# Allegro board LED_FIN.brd (continued)
## Routing (per net, layer and track width the routed paths; a pad name or vN(x,y) marks a point on that pad's centre or on a via; arc(x,y) is an arc through that point) (continued)
COL_OUT_B84: length 245
  TOP w0.15: D6066.1 v1(109.25,292.8) ; D6576.1 v1(109.25,258.8) ; v1(108.55,128.8) 108.96,129.21 108.96,132.39 v1(108.55,132.8) ; D6816.1 v1(109.25,242.8) ; D6606.1 v1(109.25,256.8) ; D6186.1 v1(109.25,284.8) ; D6126.1 v1(109.25,288.8) ; D6306.1 v1(109.25,276.8) ; D6396.1 v1(109.25,270.8) ; D6546.1 v1(109.25,260.8) ; D6276.1 v1(109.25,278.8) ; D6756.1 v1(109.25,246.8) ; D5946.1 v1(109.25,300.8) ; D5706.1 v1(109.25,316.8) ; D6726.1 v1(109.25,248.8) ; D6426.1 v1(109.25,268.8) ; D6696.1 v1(109.25,250.8) ; D6786.1 v1(109.25,244.8) ; v1(108.55,99.8) R156.1 ; D5826.1 v1(109.25,308.8) ; D6216.1 v1(109.25,282.8) ; D6366.1 v1(109.25,272.8) ; D5916.1 v1(109.25,302.8) ; D5796.1 v1(109.25,310.8) ; D6246.1 v1(109.25,280.8) ; D6456.1 v1(109.25,266.8) ; D5886.1 v1(109.25,304.8) ; D6006.1 v1(109.25,296.8) ; D6516.1 v1(109.25,262.8) ; D6156.1 v1(109.25,286.8) ; D5736.1 v1(109.25,314.8) ; D6636.1 v1(109.25,254.8) ; D6036.1 v1(109.25,294.8) ; D6666.1 v1(109.25,252.8) ; D5976.1 v1(109.25,298.8) ; D6486.1 v1(109.25,264.8) ; D5766.1 v1(109.25,312.8) ; D6096.1 v1(109.25,290.8) ; D6336.1 v1(109.25,274.8) ; D5856.1 v1(109.25,306.8)
  BOTTOM w0.15: v1(108.55,132.8) 108.55,242.1 v1(109.25,242.8) v1(109.25,244.8) v1(109.25,246.8) v1(109.25,248.8) v1(109.25,250.8) v1(109.25,252.8) v1(109.25,254.8) v1(109.25,256.8) v1(109.25,258.8) v1(109.25,260.8) v1(109.25,262.8) v1(109.25,264.8) v1(109.25,266.8) v1(109.25,268.8) v1(109.25,270.8) v1(109.25,272.8) v1(109.25,274.8) v1(109.25,276.8) v1(109.25,278.8) v1(109.25,280.8) v1(109.25,282.8) v1(109.25,284.8) v1(109.25,286.8) v1(109.25,288.8) v1(109.25,290.8) v1(109.25,292.8) v1(109.25,294.8) v1(109.25,296.8) v1(109.25,298.8) v1(109.25,300.8) v1(109.25,302.8) v1(109.25,304.8) v1(109.25,306.8) v1(109.25,308.8) v1(109.25,310.8) v1(109.25,312.8) v1(109.25,314.8) v1(109.25,316.8) ; v1(108.55,128.8) v1(108.55,99.8)
COL_OUT_B85: length 244.7
  TOP w0.15: D6785.1 v1(107.25,244.8) ; D6095.1 v1(107.25,290.8) ; D5915.1 v1(107.25,302.8) ; D6545.1 v1(107.25,260.8) ; D5765.1 v1(107.25,312.8) ; D6665.1 v1(107.25,252.8) ; v1(106.55,99.8) R155.1 ; D6755.1 v1(107.25,246.8) ; D5705.1 v1(107.25,316.8) ; D5795.1 v1(107.25,310.8) ; D6155.1 v1(107.25,286.8) ; D5885.1 v1(107.25,304.8) ; D6065.1 v1(107.25,292.8) ; D6815.1 v1(107.25,242.8) ; D5975.1 v1(107.25,298.8) ; D6365.1 v1(107.25,272.8) ; D5855.1 v1(107.25,306.8) ; D6575.1 v1(107.25,258.8) ; D6245.1 v1(107.25,280.8) ; D6425.1 v1(107.25,268.8) ; D5945.1 v1(107.25,300.8) ; D6275.1 v1(107.25,278.8) ; D5735.1 v1(107.25,314.8) ; D6335.1 v1(107.25,274.8) ; D6125.1 v1(107.25,288.8) ; D6185.1 v1(107.25,284.8) ; D6035.1 v1(107.25,294.8) ; D6395.1 v1(107.25,270.8) ; D6455.1 v1(107.25,266.8) ; D6305.1 v1(107.25,276.8) ; D6695.1 v1(107.25,250.8) ; D6725.1 v1(107.25,248.8) ; D6215.1 v1(107.25,282.8) ; D6005.1 v1(107.25,296.8) ; D6515.1 v1(107.25,262.8) ; D5825.1 v1(107.25,308.8) ; D6635.1 v1(107.25,254.8) ; D6485.1 v1(107.25,264.8) ; D6605.1 v1(107.25,256.8)
  BOTTOM w0.15: v1(106.55,99.8) 106.49,99.86 106.49,242.04 v1(107.25,242.8) v1(107.25,244.8) v1(107.25,246.8) v1(107.25,248.8) v1(107.25,250.8) v1(107.25,252.8) v1(107.25,254.8) v1(107.25,256.8) v1(107.25,258.8) v1(107.25,260.8) v1(107.25,262.8) v1(107.25,264.8) v1(107.25,266.8) v1(107.25,268.8) v1(107.25,270.8) v1(107.25,272.8) v1(107.25,274.8) v1(107.25,276.8) v1(107.25,278.8) v1(107.25,280.8) v1(107.25,282.8) v1(107.25,284.8) v1(107.25,286.8) v1(107.25,288.8) v1(107.25,290.8) v1(107.25,292.8) v1(107.25,294.8) v1(107.25,296.8) v1(107.25,298.8) v1(107.25,300.8) v1(107.25,302.8) v1(107.25,304.8) v1(107.25,306.8) v1(107.25,308.8) v1(107.25,310.8) v1(107.25,312.8) v1(107.25,314.8) v1(107.25,316.8)
COL_OUT_B86: length 245.2
  TOP w0.15: D6424.1 v1(105.25,268.8) ; D5854.1 v1(105.25,306.8) ; D6724.1 v1(105.25,248.8) ; D6124.1 v1(105.25,288.8) ; D5884.1 v1(105.25,304.8) ; D5974.1 v1(105.25,298.8) ; D5794.1 v1(105.25,310.8) ; D6514.1 v1(105.25,262.8) ; D5914.1 v1(105.25,302.8) ; D6694.1 v1(105.25,250.8) ; D6184.1 v1(105.25,284.8) ; D6214.1 v1(105.25,282.8) ; D6034.1 v1(105.25,294.8) ; D6004.1 v1(105.25,296.8) ; D6814.1 v1(105.25,242.8) ; D6154.1 v1(105.25,286.8) ; D6574.1 v1(105.25,258.8) ; v1(104.55,99.8) R154.1 ; D6784.1 v1(105.25,244.8) ; D6604.1 v1(105.25,256.8) ; D6304.1 v1(105.25,276.8) ; D6634.1 v1(105.25,254.8) ; D6454.1 v1(105.25,266.8) ; D6544.1 v1(105.25,260.8) ; D6664.1 v1(105.25,252.8) ; D6394.1 v1(105.25,270.8) ; D6094.1 v1(105.25,290.8) ; D6484.1 v1(105.25,264.8) ; D5824.1 v1(105.25,308.8) ; D5734.1 v1(105.25,314.8) ; D6754.1 v1(105.25,246.8) ; D6064.1 v1(105.25,292.8) ; D5764.1 v1(105.25,312.8) ; D5704.1 v1(105.25,316.8) ; D6274.1 v1(105.25,278.8) ; D6364.1 v1(105.25,272.8) ; D6334.1 v1(105.25,274.8) ; D5944.1 v1(105.25,300.8) ; D6244.1 v1(105.25,280.8)
  BOTTOM w0.15: v1(104.55,99.8) 103.95,100.4 103.95,131.75 104.55,132.35 104.55,242.1 v1(105.25,242.8) v1(105.25,244.8) v1(105.25,246.8) v1(105.25,248.8) v1(105.25,250.8) v1(105.25,252.8) v1(105.25,254.8) v1(105.25,256.8) v1(105.25,258.8) v1(105.25,260.8) v1(105.25,262.8) v1(105.25,264.8) v1(105.25,266.8) v1(105.25,268.8) v1(105.25,270.8) v1(105.25,272.8) v1(105.25,274.8) v1(105.25,276.8) v1(105.25,278.8) v1(105.25,280.8) v1(105.25,282.8) v1(105.25,284.8) v1(105.25,286.8) v1(105.25,288.8) v1(105.25,290.8) v1(105.25,292.8) v1(105.25,294.8) v1(105.25,296.8) v1(105.25,298.8) v1(105.25,300.8) v1(105.25,302.8) v1(105.25,304.8) v1(105.25,306.8) v1(105.25,308.8) v1(105.25,310.8) v1(105.25,312.8) v1(105.25,314.8) v1(105.25,316.8)
COL_OUT_B87: length 244.7
  TOP w0.15: D6363.1 v1(103.25,272.8) ; D6453.1 v1(103.25,266.8) ; D6123.1 v1(103.25,288.8) ; v1(102.55,99.8) R153.1 ; D5883.1 v1(103.25,304.8) ; D6153.1 v1(103.25,286.8) ; D6513.1 v1(103.25,262.8) ; D5943.1 v1(103.25,300.8) ; D6633.1 v1(103.25,254.8) ; D6003.1 v1(103.25,296.8) ; D6783.1 v1(103.25,244.8) ; D6213.1 v1(103.25,282.8) ; v1(102.55,128.8) 102.61,128.86 102.61,132.74 v1(102.55,132.8) ; D5793.1 v1(103.25,310.8) ; D6333.1 v1(103.25,274.8) ; D6723.1 v1(103.25,248.8) ; D6603.1 v1(103.25,256.8) ; D6813.1 v1(103.25,242.8) ; D5853.1 v1(103.25,306.8) ; D6273.1 v1(103.25,278.8) ; D6573.1 v1(103.25,258.8) ; D5703.1 v1(103.25,316.8) ; D5763.1 v1(103.25,312.8) ; D6243.1 v1(103.25,280.8) ; D6753.1 v1(103.25,246.8) ; D6423.1 v1(103.25,268.8) ; D6543.1 v1(103.25,260.8) ; D6693.1 v1(103.25,250.8) ; D5823.1 v1(103.25,308.8) ; D6183.1 v1(103.25,284.8) ; D6393.1 v1(103.25,270.8) ; D6663.1 v1(103.25,252.8) ; D6303.1 v1(103.25,276.8) ; D6033.1 v1(103.25,294.8) ; D6483.1 v1(103.25,264.8) ; D5733.1 v1(103.25,314.8) ; D5913.1 v1(103.25,302.8) ; D5973.1 v1(103.25,298.8) ; D6063.1 v1(103.25,292.8) ; D6093.1 v1(103.25,290.8)
  BOTTOM w0.15: v1(102.55,132.8) 102.55,242.1 v1(103.25,242.8) v1(103.25,244.8) v1(103.25,246.8) v1(103.25,248.8) v1(103.25,250.8) v1(103.25,252.8) v1(103.25,254.8) v1(103.25,256.8) v1(103.25,258.8) v1(103.25,260.8) v1(103.25,262.8) v1(103.25,264.8) v1(103.25,266.8) v1(103.25,268.8) v1(103.25,270.8) v1(103.25,272.8) v1(103.25,274.8) v1(103.25,276.8) v1(103.25,278.8) v1(103.25,280.8) v1(103.25,282.8) v1(103.25,284.8) v1(103.25,286.8) v1(103.25,288.8) v1(103.25,290.8) v1(103.25,292.8) v1(103.25,294.8) v1(103.25,296.8) v1(103.25,298.8) v1(103.25,300.8) v1(103.25,302.8) v1(103.25,304.8) v1(103.25,306.8) v1(103.25,308.8) v1(103.25,310.8) v1(103.25,312.8) v1(103.25,314.8) v1(103.25,316.8) ; v1(102.55,128.8) v1(102.55,99.8)
COL_OUT_B88: length 245
  TOP w0.15: D6482.1 v1(101.25,264.8) ; D6572.1 v1(101.25,258.8) ; D6152.1 v1(101.25,286.8) ; D6182.1 v1(101.25,284.8) ; D5702.1 v1(101.25,316.8) ; D6392.1 v1(101.25,270.8) ; D6092.1 v1(101.25,290.8) ; D6542.1 v1(101.25,260.8) ; D6782.1 v1(101.25,244.8) ; D5942.1 v1(101.25,300.8) ; D5882.1 v1(101.25,304.8) ; D6302.1 v1(101.25,276.8) ; D5732.1 v1(101.25,314.8) ; D5822.1 v1(101.25,308.8) ; D5762.1 v1(101.25,312.8) ; D6812.1 v1(101.25,242.8) ; D6512.1 v1(101.25,262.8) ; D6212.1 v1(101.25,282.8) ; D6662.1 v1(101.25,252.8) ; D6122.1 v1(101.25,288.8) ; D6332.1 v1(101.25,274.8) ; D6242.1 v1(101.25,280.8) ; D5792.1 v1(101.25,310.8) ; D6362.1 v1(101.25,272.8) ; D5912.1 v1(101.25,302.8) ; D6752.1 v1(101.25,246.8) ; D6602.1 v1(101.25,256.8) ; D6272.1 v1(101.25,278.8) ; D6692.1 v1(101.25,250.8) ; D6632.1 v1(101.25,254.8) ; D6002.1 v1(101.25,296.8) ; D6422.1 v1(101.25,268.8) ; D6722.1 v1(101.25,248.8) ; D6452.1 v1(101.25,266.8) ; D6032.1 v1(101.25,294.8) ; D5852.1 v1(101.25,306.8) ; D6062.1 v1(101.25,292.8) ; v1(100.55,99.8) R152.1 ; D5972.1 v1(101.25,298.8)
  BOTTOM w0.15: v1(101.25,316.8) v1(101.25,314.8) v1(101.25,312.8) v1(101.25,310.8) v1(101.25,308.8) v1(101.25,306.8) v1(101.25,304.8) v1(101.25,302.8) v1(101.25,300.8) v1(101.25,298.8) v1(101.25,296.8) v1(101.25,294.8) v1(101.25,292.8) v1(101.25,290.8) v1(101.25,288.8) v1(101.25,286.8) v1(101.25,284.8) v1(101.25,282.8) v1(101.25,280.8) v1(101.25,278.8) v1(101.25,276.8) v1(101.25,274.8) v1(101.25,272.8) v1(101.25,270.8) v1(101.25,268.8) v1(101.25,266.8) v1(101.25,264.8) v1(101.25,262.8) v1(101.25,260.8) v1(101.25,258.8) v1(101.25,256.8) v1(101.25,254.8) v1(101.25,252.8) v1(101.25,250.8) v1(101.25,248.8) v1(101.25,246.8) v1(101.25,244.8) v1(101.25,242.8) 100.55,242.1 100.55,132.16 100.14,131.75 100.14,100.21 v1(100.55,99.8)
COL_OUT_B89: length 244.9
  TOP w0.15: D6421.1 v1(99.25,268.8) ; D6031.1 v1(99.25,294.8) ; D6451.1 v1(99.25,266.8) ; D6151.1 v1(99.25,286.8) ; D6061.1 v1(99.25,292.8) ; D5731.1 v1(99.25,314.8) ; D5701.1 v1(99.25,316.8) ; D6301.1 v1(99.25,276.8) ; D6601.1 v1(99.25,256.8) ; D6361.1 v1(99.25,272.8) ; D6241.1 v1(99.25,280.8) ; D6331.1 v1(99.25,274.8) ; D6001.1 v1(99.25,296.8) ; D5851.1 v1(99.25,306.8) ; D5821.1 v1(99.25,308.8) ; D6631.1 v1(99.25,254.8) ; D6811.1 v1(99.25,242.8) ; D6751.1 v1(99.25,246.8) ; D6181.1 v1(99.25,284.8) ; D6511.1 v1(99.25,262.8) ; D5911.1 v1(99.25,302.8) ; D6541.1 v1(99.25,260.8) ; D6391.1 v1(99.25,270.8) ; D6781.1 v1(99.25,244.8) ; D6661.1 v1(99.25,252.8) ; D5791.1 v1(99.25,310.8) ; D6691.1 v1(99.25,250.8) ; D5881.1 v1(99.25,304.8) ; D6721.1 v1(99.25,248.8) ; D6091.1 v1(99.25,290.8) ; D5941.1 v1(99.25,300.8) ; D5761.1 v1(99.25,312.8) ; D6481.1 v1(99.25,264.8) ; D6571.1 v1(99.25,258.8) ; v1(98.55,128.8) 98.55,129.3 98.8,129.55 98.8,132.05 98.55,132.3 v1(98.55,132.8) ; D6211.1 v1(99.25,282.8) ; D6121.1 v1(99.25,288.8) ; D5971.1 v1(99.25,298.8) ; v1(98.55,99.8) R151.1 ; D6271.1 v1(99.25,278.8)
  BOTTOM w0.15: v1(99.25,316.8) v1(99.25,314.8) v1(99.25,312.8) v1(99.25,310.8) v1(99.25,308.8) v1(99.25,306.8) v1(99.25,304.8) v1(99.25,302.8) v1(99.25,300.8) v1(99.25,298.8) v1(99.25,296.8) v1(99.25,294.8) v1(99.25,292.8) v1(99.25,290.8) v1(99.25,288.8) v1(99.25,286.8) v1(99.25,284.8) v1(99.25,282.8) v1(99.25,280.8) v1(99.25,278.8) v1(99.25,276.8) v1(99.25,274.8) v1(99.25,272.8) v1(99.25,270.8) v1(99.25,268.8) v1(99.25,266.8) v1(99.25,264.8) v1(99.25,262.8) v1(99.25,260.8) v1(99.25,258.8) v1(99.25,256.8) v1(99.25,254.8) v1(99.25,252.8) v1(99.25,250.8) v1(99.25,248.8) v1(99.25,246.8) v1(99.25,244.8) v1(99.25,242.8) 98.55,242.1 v1(98.55,132.8) ; v1(98.55,128.8) v1(98.55,99.8)
COL_OUT_B90: length 244.9
  TOP w0.15: D4620.1 v1(97.25,314.8) ; D5130.1 v1(97.25,280.8) ; D4770.1 v1(97.25,304.8) ; D5430.1 v1(97.25,260.8) ; D5310.1 v1(97.25,268.8) ; D5400.1 v1(97.25,262.8) ; D5010.1 v1(97.25,288.8) ; D5340.1 v1(97.25,266.8) ; D4950.1 v1(97.25,292.8) ; D4590.1 v1(97.25,316.8) ; D5550.1 v1(97.25,252.8) ; D5100.1 v1(97.25,282.8) ; D5460.1 v1(97.25,258.8) ; D5160.1 v1(97.25,278.8) ; D4650.1 v1(97.25,312.8) ; D4710.1 v1(97.25,308.8) ; D5040.1 v1(97.25,286.8) ; D4890.1 v1(97.25,296.8) ; D5670.1 v1(97.25,244.8) ; D5520.1 v1(97.25,254.8) ; D4830.1 v1(97.25,300.8) ; D5640.1 v1(97.25,246.8) ; D4680.1 v1(97.25,310.8) ; D5280.1 v1(97.25,270.8) ; D5580.1 v1(97.25,250.8) ; D5190.1 v1(97.25,276.8) ; D5370.1 v1(97.25,264.8) ; D5220.1 v1(97.25,274.8) ; D5610.1 v1(97.25,248.8) ; D4740.1 v1(97.25,306.8) ; D5070.1 v1(97.25,284.8) ; D4980.1 v1(97.25,290.8) ; D4800.1 v1(97.25,302.8) ; D4920.1 v1(97.25,294.8) ; D5490.1 v1(97.25,256.8) ; D5250.1 v1(97.25,272.8) ; v1(96.55,99.8) R150.1 ; D5700.1 v1(97.25,242.8) ; D4860.1 v1(97.25,298.8)
  BOTTOM w0.15: v1(96.55,99.8) 96.55,100.3 96.33,100.52 96.33,131.75 96.55,131.97 96.55,242.1 v1(97.25,242.8) v1(97.25,244.8) v1(97.25,246.8) v1(97.25,248.8) v1(97.25,250.8) v1(97.25,252.8) v1(97.25,254.8) v1(97.25,256.8) v1(97.25,258.8) v1(97.25,260.8) v1(97.25,262.8) v1(97.25,264.8) v1(97.25,266.8) v1(97.25,268.8) v1(97.25,270.8) v1(97.25,272.8) v1(97.25,274.8) v1(97.25,276.8) v1(97.25,278.8) v1(97.25,280.8) v1(97.25,282.8) v1(97.25,284.8) v1(97.25,286.8) v1(97.25,288.8) v1(97.25,290.8) v1(97.25,292.8) v1(97.25,294.8) v1(97.25,296.8) v1(97.25,298.8) v1(97.25,300.8) v1(97.25,302.8) v1(97.25,304.8) v1(97.25,306.8) v1(97.25,308.8) v1(97.25,310.8) v1(97.25,312.8) v1(97.25,314.8) v1(97.25,316.8)
COL_OUT_B91: length 245.1
  TOP w0.15: D5399.1 v1(95.25,262.8) ; v1(94.55,99.8) R149.1 ; D5699.1 v1(95.25,242.8) ; v1(94.55,132.8) 94.99,132.36 94.99,129.24 v1(94.55,128.8) ; D5039.1 v1(95.25,286.8) ; D4739.1 v1(95.25,306.8) ; D5189.1 v1(95.25,276.8) ; D5129.1 v1(95.25,280.8) ; D4949.1 v1(95.25,292.8) ; D5369.1 v1(95.25,264.8) ; D4889.1 v1(95.25,296.8) ; D5159.1 v1(95.25,278.8) ; D5099.1 v1(95.25,282.8) ; D4679.1 v1(95.25,310.8) ; D4649.1 v1(95.25,312.8) ; D5519.1 v1(95.25,254.8) ; D4979.1 v1(95.25,290.8) ; D5339.1 v1(95.25,266.8) ; D4799.1 v1(95.25,302.8) ; D5639.1 v1(95.25,246.8) ; D4589.1 v1(95.25,316.8) ; D5429.1 v1(95.25,260.8) ; D4919.1 v1(95.25,294.8) ; D5459.1 v1(95.25,258.8) ; D5579.1 v1(95.25,250.8) ; D4709.1 v1(95.25,308.8) ; D4829.1 v1(95.25,300.8) ; D5279.1 v1(95.25,270.8) ; D5249.1 v1(95.25,272.8) ; D5009.1 v1(95.25,288.8) ; D5489.1 v1(95.25,256.8) ; D4859.1 v1(95.25,298.8) ; D5309.1 v1(95.25,268.8) ; D5549.1 v1(95.25,252.8) ; D5069.1 v1(95.25,284.8) ; D4619.1 v1(95.25,314.8) ; D5609.1 v1(95.25,248.8) ; D5669.1 v1(95.25,244.8) ; D4769.1 v1(95.25,304.8) ; D5219.1 v1(95.25,274.8)
  BOTTOM w0.15: v1(94.55,128.8) v1(94.55,99.8) ; v1(95.25,316.8) v1(95.25,314.8) v1(95.25,312.8) v1(95.25,310.8) v1(95.25,308.8) v1(95.25,306.8) v1(95.25,304.8) v1(95.25,302.8) v1(95.25,300.8) v1(95.25,298.8) v1(95.25,296.8) v1(95.25,294.8) v1(95.25,292.8) v1(95.25,290.8) v1(95.25,288.8) v1(95.25,286.8) v1(95.25,284.8) v1(95.25,282.8) v1(95.25,280.8) v1(95.25,278.8) v1(95.25,276.8) v1(95.25,274.8) v1(95.25,272.8) v1(95.25,270.8) v1(95.25,268.8) v1(95.25,266.8) v1(95.25,264.8) v1(95.25,262.8) v1(95.25,260.8) v1(95.25,258.8) v1(95.25,256.8) v1(95.25,254.8) v1(95.25,252.8) v1(95.25,250.8) v1(95.25,248.8) v1(95.25,246.8) v1(95.25,244.8) v1(95.25,242.8) 94.55,242.1 v1(94.55,132.8)
COL_OUT_B92: length 244.7
  TOP w0.15: D5488.1 v1(93.25,256.8) ; D5338.1 v1(93.25,266.8) ; D5038.1 v1(93.25,286.8) ; D5098.1 v1(93.25,282.8) ; D4888.1 v1(93.25,296.8) ; D5458.1 v1(93.25,258.8) ; D4948.1 v1(93.25,292.8) ; D4768.1 v1(93.25,304.8) ; D5248.1 v1(93.25,272.8) ; D5398.1 v1(93.25,262.8) ; D5188.1 v1(93.25,276.8) ; D4828.1 v1(93.25,300.8) ; D5278.1 v1(93.25,270.8) ; D5068.1 v1(93.25,284.8) ; D4678.1 v1(93.25,310.8) ; D5218.1 v1(93.25,274.8) ; v1(92.55,99.8) R148.1 ; D4978.1 v1(93.25,290.8) ; D5638.1 v1(93.25,246.8) ; D5128.1 v1(93.25,280.8) ; D5548.1 v1(93.25,252.8) ; D4738.1 v1(93.25,306.8) ; D5578.1 v1(93.25,250.8) ; D5308.1 v1(93.25,268.8) ; D5428.1 v1(93.25,260.8) ; D4708.1 v1(93.25,308.8) ; D5368.1 v1(93.25,264.8) ; D5668.1 v1(93.25,244.8) ; D5008.1 v1(93.25,288.8) ; D4618.1 v1(93.25,314.8) ; D4648.1 v1(93.25,312.8) ; D5158.1 v1(93.25,278.8) ; D4588.1 v1(93.25,316.8) ; D5608.1 v1(93.25,248.8) ; D5698.1 v1(93.25,242.8) ; D5518.1 v1(93.25,254.8) ; D4798.1 v1(93.25,302.8) ; D4858.1 v1(93.25,298.8) ; D4918.1 v1(93.25,294.8)
  BOTTOM w0.15: v1(92.55,99.8) 92.52,99.83 92.52,242.07 v1(93.25,242.8) v1(93.25,244.8) v1(93.25,246.8) v1(93.25,248.8) v1(93.25,250.8) v1(93.25,252.8) v1(93.25,254.8) v1(93.25,256.8) v1(93.25,258.8) v1(93.25,260.8) v1(93.25,262.8) v1(93.25,264.8) v1(93.25,266.8) v1(93.25,268.8) v1(93.25,270.8) v1(93.25,272.8) v1(93.25,274.8) v1(93.25,276.8) v1(93.25,278.8) v1(93.25,280.8) v1(93.25,282.8) v1(93.25,284.8) v1(93.25,286.8) v1(93.25,288.8) v1(93.25,290.8) v1(93.25,292.8) v1(93.25,294.8) v1(93.25,296.8) v1(93.25,298.8) v1(93.25,300.8) v1(93.25,302.8) v1(93.25,304.8) v1(93.25,306.8) v1(93.25,308.8) v1(93.25,310.8) v1(93.25,312.8) v1(93.25,314.8) v1(93.25,316.8)
COL_OUT_B93: length 245.2
  TOP w0.15: D5097.1 v1(91.25,282.8) ; D5157.1 v1(91.25,278.8) ; D4917.1 v1(91.25,294.8) ; D4707.1 v1(91.25,308.8) ; D5427.1 v1(91.25,260.8) ; D5217.1 v1(91.25,274.8) ; D4587.1 v1(91.25,316.8) ; D5337.1 v1(91.25,266.8) ; D4677.1 v1(91.25,310.8) ; D5577.1 v1(91.25,250.8) ; D4767.1 v1(91.25,304.8) ; D5187.1 v1(91.25,276.8) ; D4737.1 v1(91.25,306.8) ; D5367.1 v1(91.25,264.8) ; v1(90.55,99.8) R147.1 ; D4887.1 v1(91.25,296.8) ; D4617.1 v1(91.25,314.8) ; D5517.1 v1(91.25,254.8) ; D4977.1 v1(91.25,290.8) ; D5277.1 v1(91.25,270.8) ; D5697.1 v1(91.25,242.8) ; D5037.1 v1(91.25,286.8) ; D5667.1 v1(91.25,244.8) ; D5247.1 v1(91.25,272.8) ; D4947.1 v1(91.25,292.8) ; D5127.1 v1(91.25,280.8) ; D4797.1 v1(91.25,302.8) ; D5067.1 v1(91.25,284.8) ; D5607.1 v1(91.25,248.8) ; D5547.1 v1(91.25,252.8) ; D5007.1 v1(91.25,288.8) ; D5397.1 v1(91.25,262.8) ; D4827.1 v1(91.25,300.8) ; D4647.1 v1(91.25,312.8) ; D5487.1 v1(91.25,256.8) ; D5457.1 v1(91.25,258.8) ; D5307.1 v1(91.25,268.8) ; D5637.1 v1(91.25,246.8) ; D4857.1 v1(91.25,298.8)
  BOTTOM w0.15: v1(91.25,316.8) v1(91.25,314.8) v1(91.25,312.8) v1(91.25,310.8) v1(91.25,308.8) v1(91.25,306.8) v1(91.25,304.8) v1(91.25,302.8) v1(91.25,300.8) v1(91.25,298.8) v1(91.25,296.8) v1(91.25,294.8) v1(91.25,292.8) v1(91.25,290.8) v1(91.25,288.8) v1(91.25,286.8) v1(91.25,284.8) v1(91.25,282.8) v1(91.25,280.8) v1(91.25,278.8) v1(91.25,276.8) v1(91.25,274.8) v1(91.25,272.8) v1(91.25,270.8) v1(91.25,268.8) v1(91.25,266.8) v1(91.25,264.8) v1(91.25,262.8) v1(91.25,260.8) v1(91.25,258.8) v1(91.25,256.8) v1(91.25,254.8) v1(91.25,252.8) v1(91.25,250.8) v1(91.25,248.8) v1(91.25,246.8) v1(91.25,244.8) v1(91.25,242.8) 90.55,242.1 90.55,132.8 89.98,132.23 89.98,100.37 v1(90.55,99.8)
COL_OUT_B94: length 244.8
  TOP w0.15: D4616.1 v1(89.25,314.8) ; D5036.1 v1(89.25,286.8) ; D4826.1 v1(89.25,300.8) ; D5006.1 v1(89.25,288.8) ; D4676.1 v1(89.25,310.8) ; D5546.1 v1(89.25,252.8) ; D5336.1 v1(89.25,266.8) ; D4736.1 v1(89.25,306.8) ; D4586.1 v1(89.25,316.8) ; D4646.1 v1(89.25,312.8) ; D5606.1 v1(89.25,248.8) ; D5126.1 v1(89.25,280.8) ; D5396.1 v1(89.25,262.8) ; D5486.1 v1(89.25,256.8) ; D4706.1 v1(89.25,308.8) ; D5276.1 v1(89.25,270.8) ; D4796.1 v1(89.25,302.8) ; D4916.1 v1(89.25,294.8) ; D5216.1 v1(89.25,274.8) ; D5516.1 v1(89.25,254.8) ; D4946.1 v1(89.25,292.8) ; D4886.1 v1(89.25,296.8) ; D5246.1 v1(89.25,272.8) ; D4766.1 v1(89.25,304.8) ; D5066.1 v1(89.25,284.8) ; v1(88.55,132.8) 88.64,132.71 88.64,128.89 v1(88.55,128.8) ; D5426.1 v1(89.25,260.8) ; D5186.1 v1(89.25,276.8) ; D5156.1 v1(89.25,278.8) ; D5666.1 v1(89.25,244.8) ; D5096.1 v1(89.25,282.8) ; D5456.1 v1(89.25,258.8) ; D5696.1 v1(89.25,242.8) ; D5636.1 v1(89.25,246.8) ; D5306.1 v1(89.25,268.8) ; D5366.1 v1(89.25,264.8) ; D4976.1 v1(89.25,290.8) ; D5576.1 v1(89.25,250.8) ; v1(88.55,99.8) R146.1 ; D4856.1 v1(89.25,298.8)
  BOTTOM w0.15: v1(88.55,128.8) v1(88.55,99.8) ; v1(88.55,132.8) 88.55,242.1 v1(89.25,242.8) v1(89.25,244.8) v1(89.25,246.8) v1(89.25,248.8) v1(89.25,250.8) v1(89.25,252.8) v1(89.25,254.8) v1(89.25,256.8) v1(89.25,258.8) v1(89.25,260.8) v1(89.25,262.8) v1(89.25,264.8) v1(89.25,266.8) v1(89.25,268.8) v1(89.25,270.8) v1(89.25,272.8) v1(89.25,274.8) v1(89.25,276.8) v1(89.25,278.8) v1(89.25,280.8) v1(89.25,282.8) v1(89.25,284.8) v1(89.25,286.8) v1(89.25,288.8) v1(89.25,290.8) v1(89.25,292.8) v1(89.25,294.8) v1(89.25,296.8) v1(89.25,298.8) v1(89.25,300.8) v1(89.25,302.8) v1(89.25,304.8) v1(89.25,306.8) v1(89.25,308.8) v1(89.25,310.8) v1(89.25,312.8) v1(89.25,314.8) v1(89.25,316.8)
COL_OUT_B95: length 245
  TOP w0.15: D4765.1 v1(87.25,304.8) ; v1(86.55,99.8) R145.1 ; D4705.1 v1(87.25,308.8) ; D5455.1 v1(87.25,258.8) ; D5365.1 v1(87.25,264.8) ; D5065.1 v1(87.25,284.8) ; D5275.1 v1(87.25,270.8) ; D5155.1 v1(87.25,278.8) ; D4945.1 v1(87.25,292.8) ; D5035.1 v1(87.25,286.8) ; D5695.1 v1(87.25,242.8) ; D5485.1 v1(87.25,256.8) ; D4735.1 v1(87.25,306.8) ; D4975.1 v1(87.25,290.8) ; D5245.1 v1(87.25,272.8) ; D4795.1 v1(87.25,302.8) ; D4885.1 v1(87.25,296.8) ; D5395.1 v1(87.25,262.8) ; D5425.1 v1(87.25,260.8) ; D5545.1 v1(87.25,252.8) ; D5095.1 v1(87.25,282.8) ; D5575.1 v1(87.25,250.8) ; D5215.1 v1(87.25,274.8) ; D4825.1 v1(87.25,300.8) ; D5515.1 v1(87.25,254.8) ; D5185.1 v1(87.25,276.8) ; D4585.1 v1(87.25,316.8) ; D4675.1 v1(87.25,310.8) ; D5665.1 v1(87.25,244.8) ; D5005.1 v1(87.25,288.8) ; D4855.1 v1(87.25,298.8) ; D5335.1 v1(87.25,266.8) ; D4645.1 v1(87.25,312.8) ; D5635.1 v1(87.25,246.8) ; D5305.1 v1(87.25,268.8) ; D4615.1 v1(87.25,314.8) ; D5125.1 v1(87.25,280.8) ; D5605.1 v1(87.25,248.8) ; D4915.1 v1(87.25,294.8)
  BOTTOM w0.15: v1(87.25,316.8) v1(87.25,314.8) v1(87.25,312.8) v1(87.25,310.8) v1(87.25,308.8) v1(87.25,306.8) v1(87.25,304.8) v1(87.25,302.8) v1(87.25,300.8) v1(87.25,298.8) v1(87.25,296.8) v1(87.25,294.8) v1(87.25,292.8) v1(87.25,290.8) v1(87.25,288.8) v1(87.25,286.8) v1(87.25,284.8) v1(87.25,282.8) v1(87.25,280.8) v1(87.25,278.8) v1(87.25,276.8) v1(87.25,274.8) v1(87.25,272.8) v1(87.25,270.8) v1(87.25,268.8) v1(87.25,266.8) v1(87.25,264.8) v1(87.25,262.8) v1(87.25,260.8) v1(87.25,258.8) v1(87.25,256.8) v1(87.25,254.8) v1(87.25,252.8) v1(87.25,250.8) v1(87.25,248.8) v1(87.25,246.8) v1(87.25,244.8) v1(87.25,242.8) 86.55,242.1 86.55,132.8 86.17,132.42 86.17,100.18 v1(86.55,99.8)
COL_OUT_B96: length 244.9
  TOP w0.15: v1(84.55,128.8) 84.55,129.3 84.83,129.58 84.83,132.52 v1(84.55,132.8) ; D5364.1 v1(85.25,264.8) ; D5604.1 v1(85.25,248.8) ; D5244.1 v1(85.25,272.8) ; D4974.1 v1(85.25,290.8) ; D5274.1 v1(85.25,270.8) ; D4644.1 v1(85.25,312.8) ; D5094.1 v1(85.25,282.8) ; D4944.1 v1(85.25,292.8) ; D4674.1 v1(85.25,310.8) ; D5334.1 v1(85.25,266.8) ; D5154.1 v1(85.25,278.8) ; D4794.1 v1(85.25,302.8) ; D4764.1 v1(85.25,304.8) ; D5004.1 v1(85.25,288.8) ; D4854.1 v1(85.25,298.8) ; D5124.1 v1(85.25,280.8) ; D5184.1 v1(85.25,276.8) ; D5514.1 v1(85.25,254.8) ; D5484.1 v1(85.25,256.8) ; D5634.1 v1(85.25,246.8) ; D4584.1 v1(85.25,316.8) ; D5214.1 v1(85.25,274.8) ; D5064.1 v1(85.25,284.8) ; D5034.1 v1(85.25,286.8) ; D4704.1 v1(85.25,308.8) ; D5454.1 v1(85.25,258.8) ; D5304.1 v1(85.25,268.8) ; D4734.1 v1(85.25,306.8) ; D4614.1 v1(85.25,314.8) ; D4884.1 v1(85.25,296.8) ; D4824.1 v1(85.25,300.8) ; D5664.1 v1(85.25,244.8) ; D5574.1 v1(85.25,250.8) ; D5424.1 v1(85.25,260.8) ; v1(84.55,99.8) R144.1 ; D5394.1 v1(85.25,262.8) ; D5694.1 v1(85.25,242.8) ; D4914.1 v1(85.25,294.8) ; D5544.1 v1(85.25,252.8)
  BOTTOM w0.15: v1(85.25,316.8) v1(85.25,314.8) v1(85.25,312.8) v1(85.25,310.8) v1(85.25,308.8) v1(85.25,306.8) v1(85.25,304.8) v1(85.25,302.8) v1(85.25,300.8) v1(85.25,298.8) v1(85.25,296.8) v1(85.25,294.8) v1(85.25,292.8) v1(85.25,290.8) v1(85.25,288.8) v1(85.25,286.8) v1(85.25,284.8) v1(85.25,282.8) v1(85.25,280.8) v1(85.25,278.8) v1(85.25,276.8) v1(85.25,274.8) v1(85.25,272.8) v1(85.25,270.8) v1(85.25,268.8) v1(85.25,266.8) v1(85.25,264.8) v1(85.25,262.8) v1(85.25,260.8) v1(85.25,258.8) v1(85.25,256.8) v1(85.25,254.8) v1(85.25,252.8) v1(85.25,250.8) v1(85.25,248.8) v1(85.25,246.8) v1(85.25,244.8) v1(85.25,242.8) 84.55,242.1 v1(84.55,132.8) ; v1(84.55,128.8) v1(84.55,99.8)
COL_OUT_B97: length 244.8
  TOP w0.15: D5513.1 v1(83.25,254.8) ; D4703.1 v1(83.25,308.8) ; D4763.1 v1(83.25,304.8) ; D4583.1 v1(83.25,316.8) ; D5213.1 v1(83.25,274.8) ; D4943.1 v1(83.25,292.8) ; D4793.1 v1(83.25,302.8) ; D5393.1 v1(83.25,262.8) ; D5243.1 v1(83.25,272.8) ; D4673.1 v1(83.25,310.8) ; D5663.1 v1(83.25,244.8) ; D5483.1 v1(83.25,256.8) ; D4613.1 v1(83.25,314.8) ; D5543.1 v1(83.25,252.8) ; D4973.1 v1(83.25,290.8) ; D5423.1 v1(83.25,260.8) ; D5453.1 v1(83.25,258.8) ; D5003.1 v1(83.25,288.8) ; D4853.1 v1(83.25,298.8) ; D4643.1 v1(83.25,312.8) ; D4883.1 v1(83.25,296.8) ; D5693.1 v1(83.25,242.8) ; D5363.1 v1(83.25,264.8) ; D5603.1 v1(83.25,248.8) ; D5093.1 v1(83.25,282.8) ; D5123.1 v1(83.25,280.8) ; D4733.1 v1(83.25,306.8) ; D5183.1 v1(83.25,276.8) ; D4913.1 v1(83.25,294.8) ; D5633.1 v1(83.25,246.8) ; D5153.1 v1(83.25,278.8) ; D5573.1 v1(83.25,250.8) ; D5033.1 v1(83.25,286.8) ; D5273.1 v1(83.25,270.8) ; v1(82.55,99.8) R143.1 ; D4823.1 v1(83.25,300.8) ; D5063.1 v1(83.25,284.8) ; D5333.1 v1(83.25,266.8) ; D5303.1 v1(83.25,268.8)
  BOTTOM w0.15: v1(82.55,99.8) 82.36,99.99 82.36,131.75 82.55,131.94 82.55,242.1 v1(83.25,242.8) v1(83.25,244.8) v1(83.25,246.8) v1(83.25,248.8) v1(83.25,250.8) v1(83.25,252.8) v1(83.25,254.8) v1(83.25,256.8) v1(83.25,258.8) v1(83.25,260.8) v1(83.25,262.8) v1(83.25,264.8) v1(83.25,266.8) v1(83.25,268.8) v1(83.25,270.8) v1(83.25,272.8) v1(83.25,274.8) v1(83.25,276.8) v1(83.25,278.8) v1(83.25,280.8) v1(83.25,282.8) v1(83.25,284.8) v1(83.25,286.8) v1(83.25,288.8) v1(83.25,290.8) v1(83.25,292.8) v1(83.25,294.8) v1(83.25,296.8) v1(83.25,298.8) v1(83.25,300.8) v1(83.25,302.8) v1(83.25,304.8) v1(83.25,306.8) v1(83.25,308.8) v1(83.25,310.8) v1(83.25,312.8) v1(83.25,314.8) v1(83.25,316.8)
COL_OUT_B98: length 245.1
  TOP w0.15: D4882.1 v1(81.25,296.8) ; D5212.1 v1(81.25,274.8) ; D5092.1 v1(81.25,282.8) ; D5302.1 v1(81.25,268.8) ; D5482.1 v1(81.25,256.8) ; D5692.1 v1(81.25,242.8) ; v1(80.55,128.8) 81.02,129.27 81.02,132.33 v1(80.55,132.8) ; D5632.1 v1(81.25,246.8) ; D5062.1 v1(81.25,284.8) ; D5572.1 v1(81.25,250.8) ; D5362.1 v1(81.25,264.8) ; D5002.1 v1(81.25,288.8) ; D5032.1 v1(81.25,286.8) ; D4702.1 v1(81.25,308.8) ; D4642.1 v1(81.25,312.8) ; D4792.1 v1(81.25,302.8) ; D5152.1 v1(81.25,278.8) ; D5392.1 v1(81.25,262.8) ; D4582.1 v1(81.25,316.8) ; D4762.1 v1(81.25,304.8) ; v1(80.55,99.8) R142.1 ; D5242.1 v1(81.25,272.8) ; D4612.1 v1(81.25,314.8) ; D4852.1 v1(81.25,298.8) ; D4912.1 v1(81.25,294.8) ; D5272.1 v1(81.25,270.8) ; D5332.1 v1(81.25,266.8) ; D4672.1 v1(81.25,310.8) ; D4822.1 v1(81.25,300.8) ; D5512.1 v1(81.25,254.8) ; D5602.1 v1(81.25,248.8) ; D4942.1 v1(81.25,292.8) ; D5422.1 v1(81.25,260.8) ; D5662.1 v1(81.25,244.8) ; D5542.1 v1(81.25,252.8) ; D5122.1 v1(81.25,280.8) ; D5182.1 v1(81.25,276.8) ; D4972.1 v1(81.25,290.8) ; D4732.1 v1(81.25,306.8) ; D5452.1 v1(81.25,258.8)